# Altium PCB Hrafn.PcbDoc (part 1 of 5)
Units mm, origin at the board's own origin, x right, y up, seen from the top; angles counter-clockwise.
Board outline 85 x 94.73 mm, 8 copper layers (Top Layer, GND Top, Internal Top, PWR Top, PWR Bottom, Internal Bottom, GND Bottom, Bottom Layer), stack 1.525 mm thick; 391 components, 237 nets, 1268 pads, 1166 vias.
Unrouted connection lines stored in the file: 2.
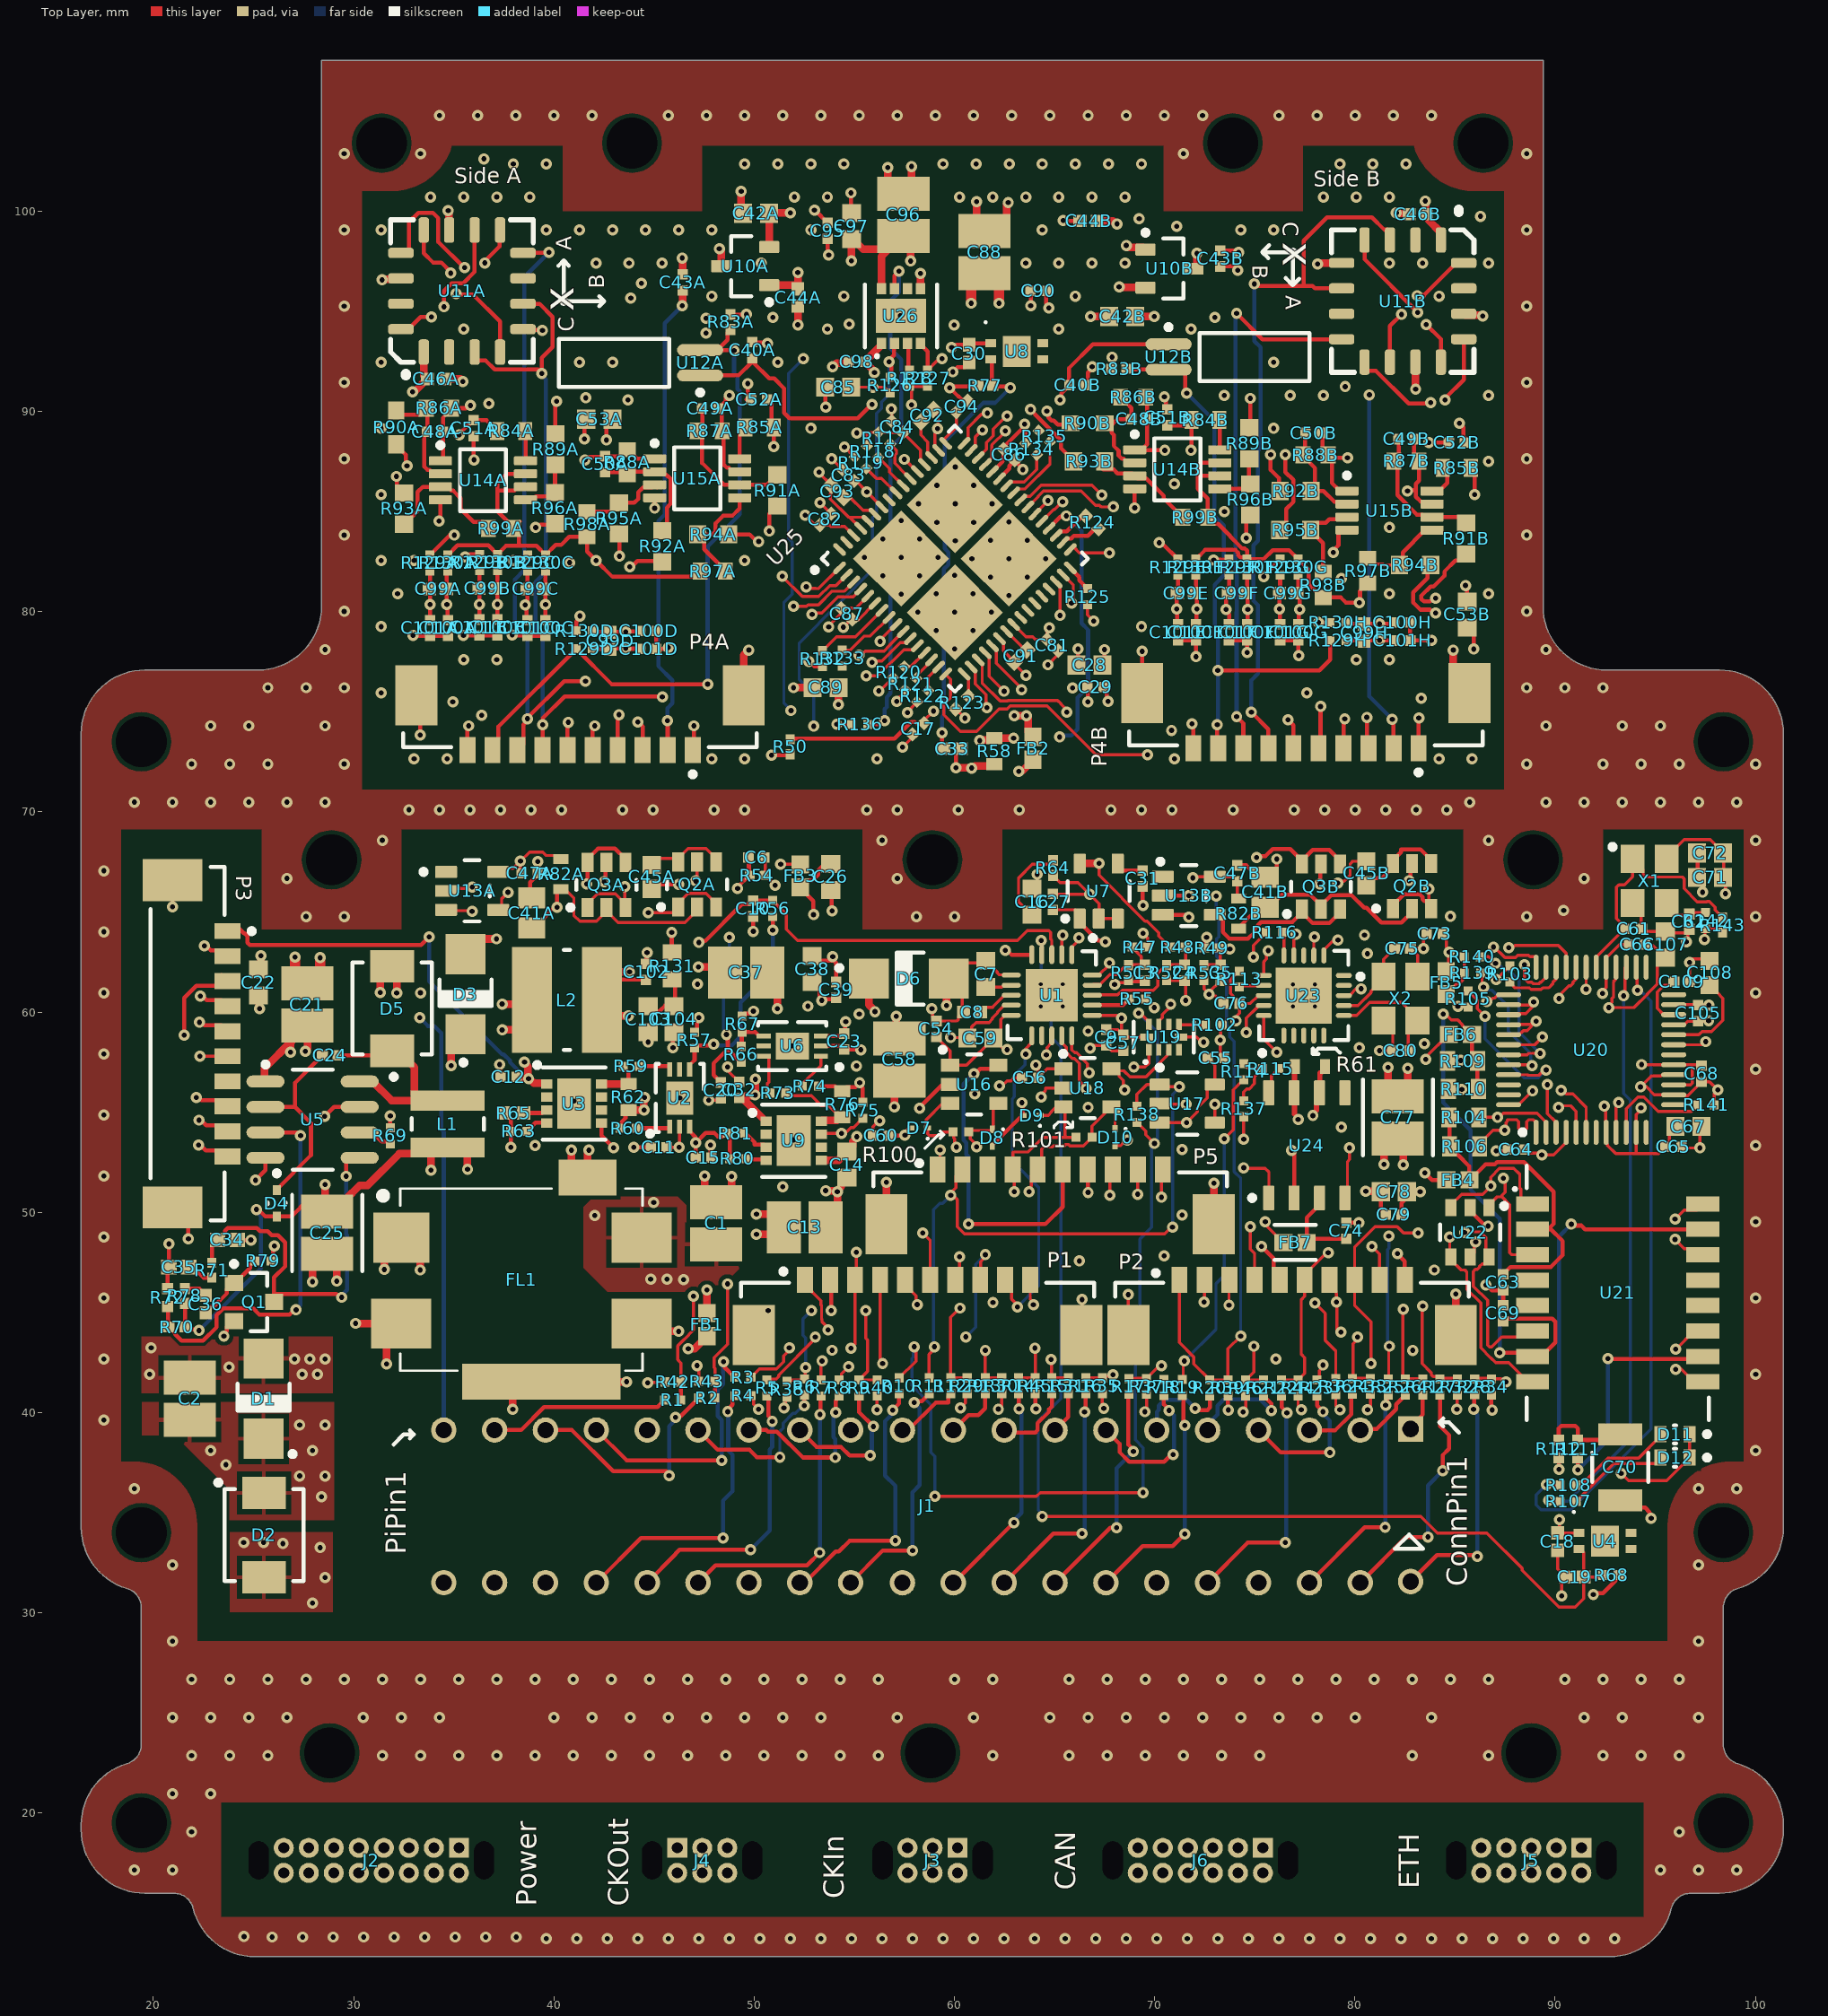
[diagram p0: Top Layer view]
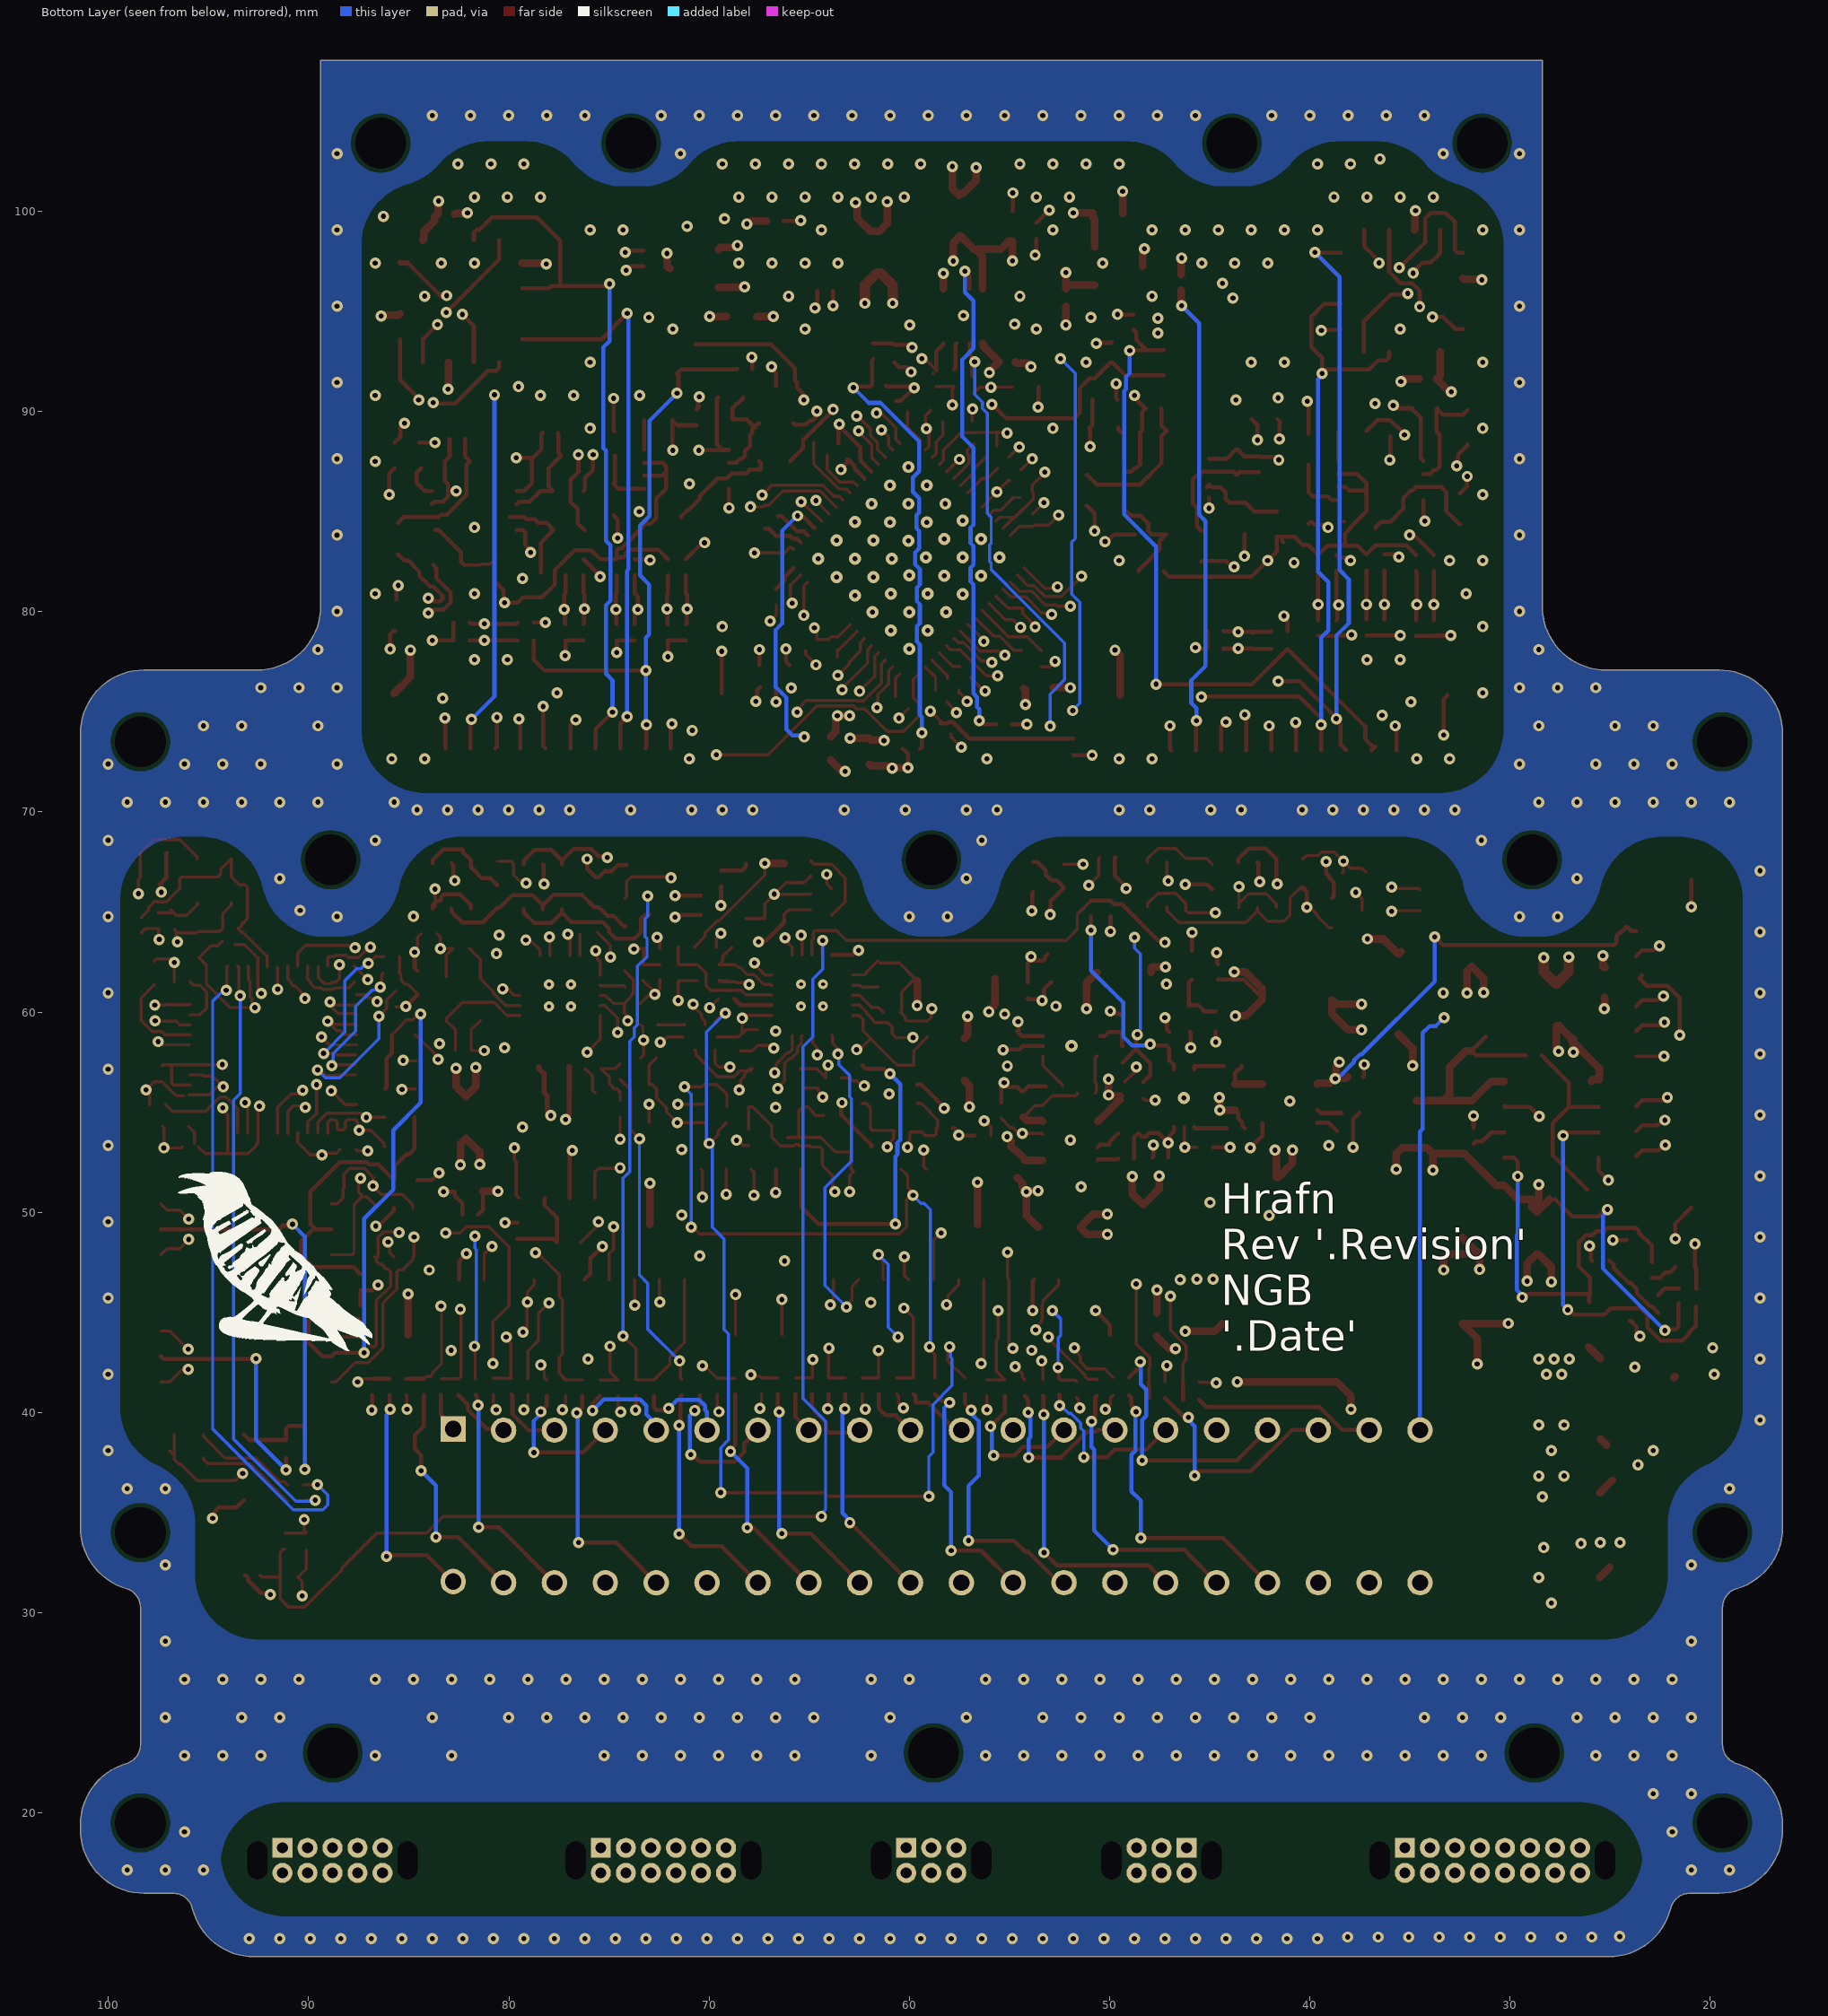
[diagram p1: Bottom Layer view, seen from below]
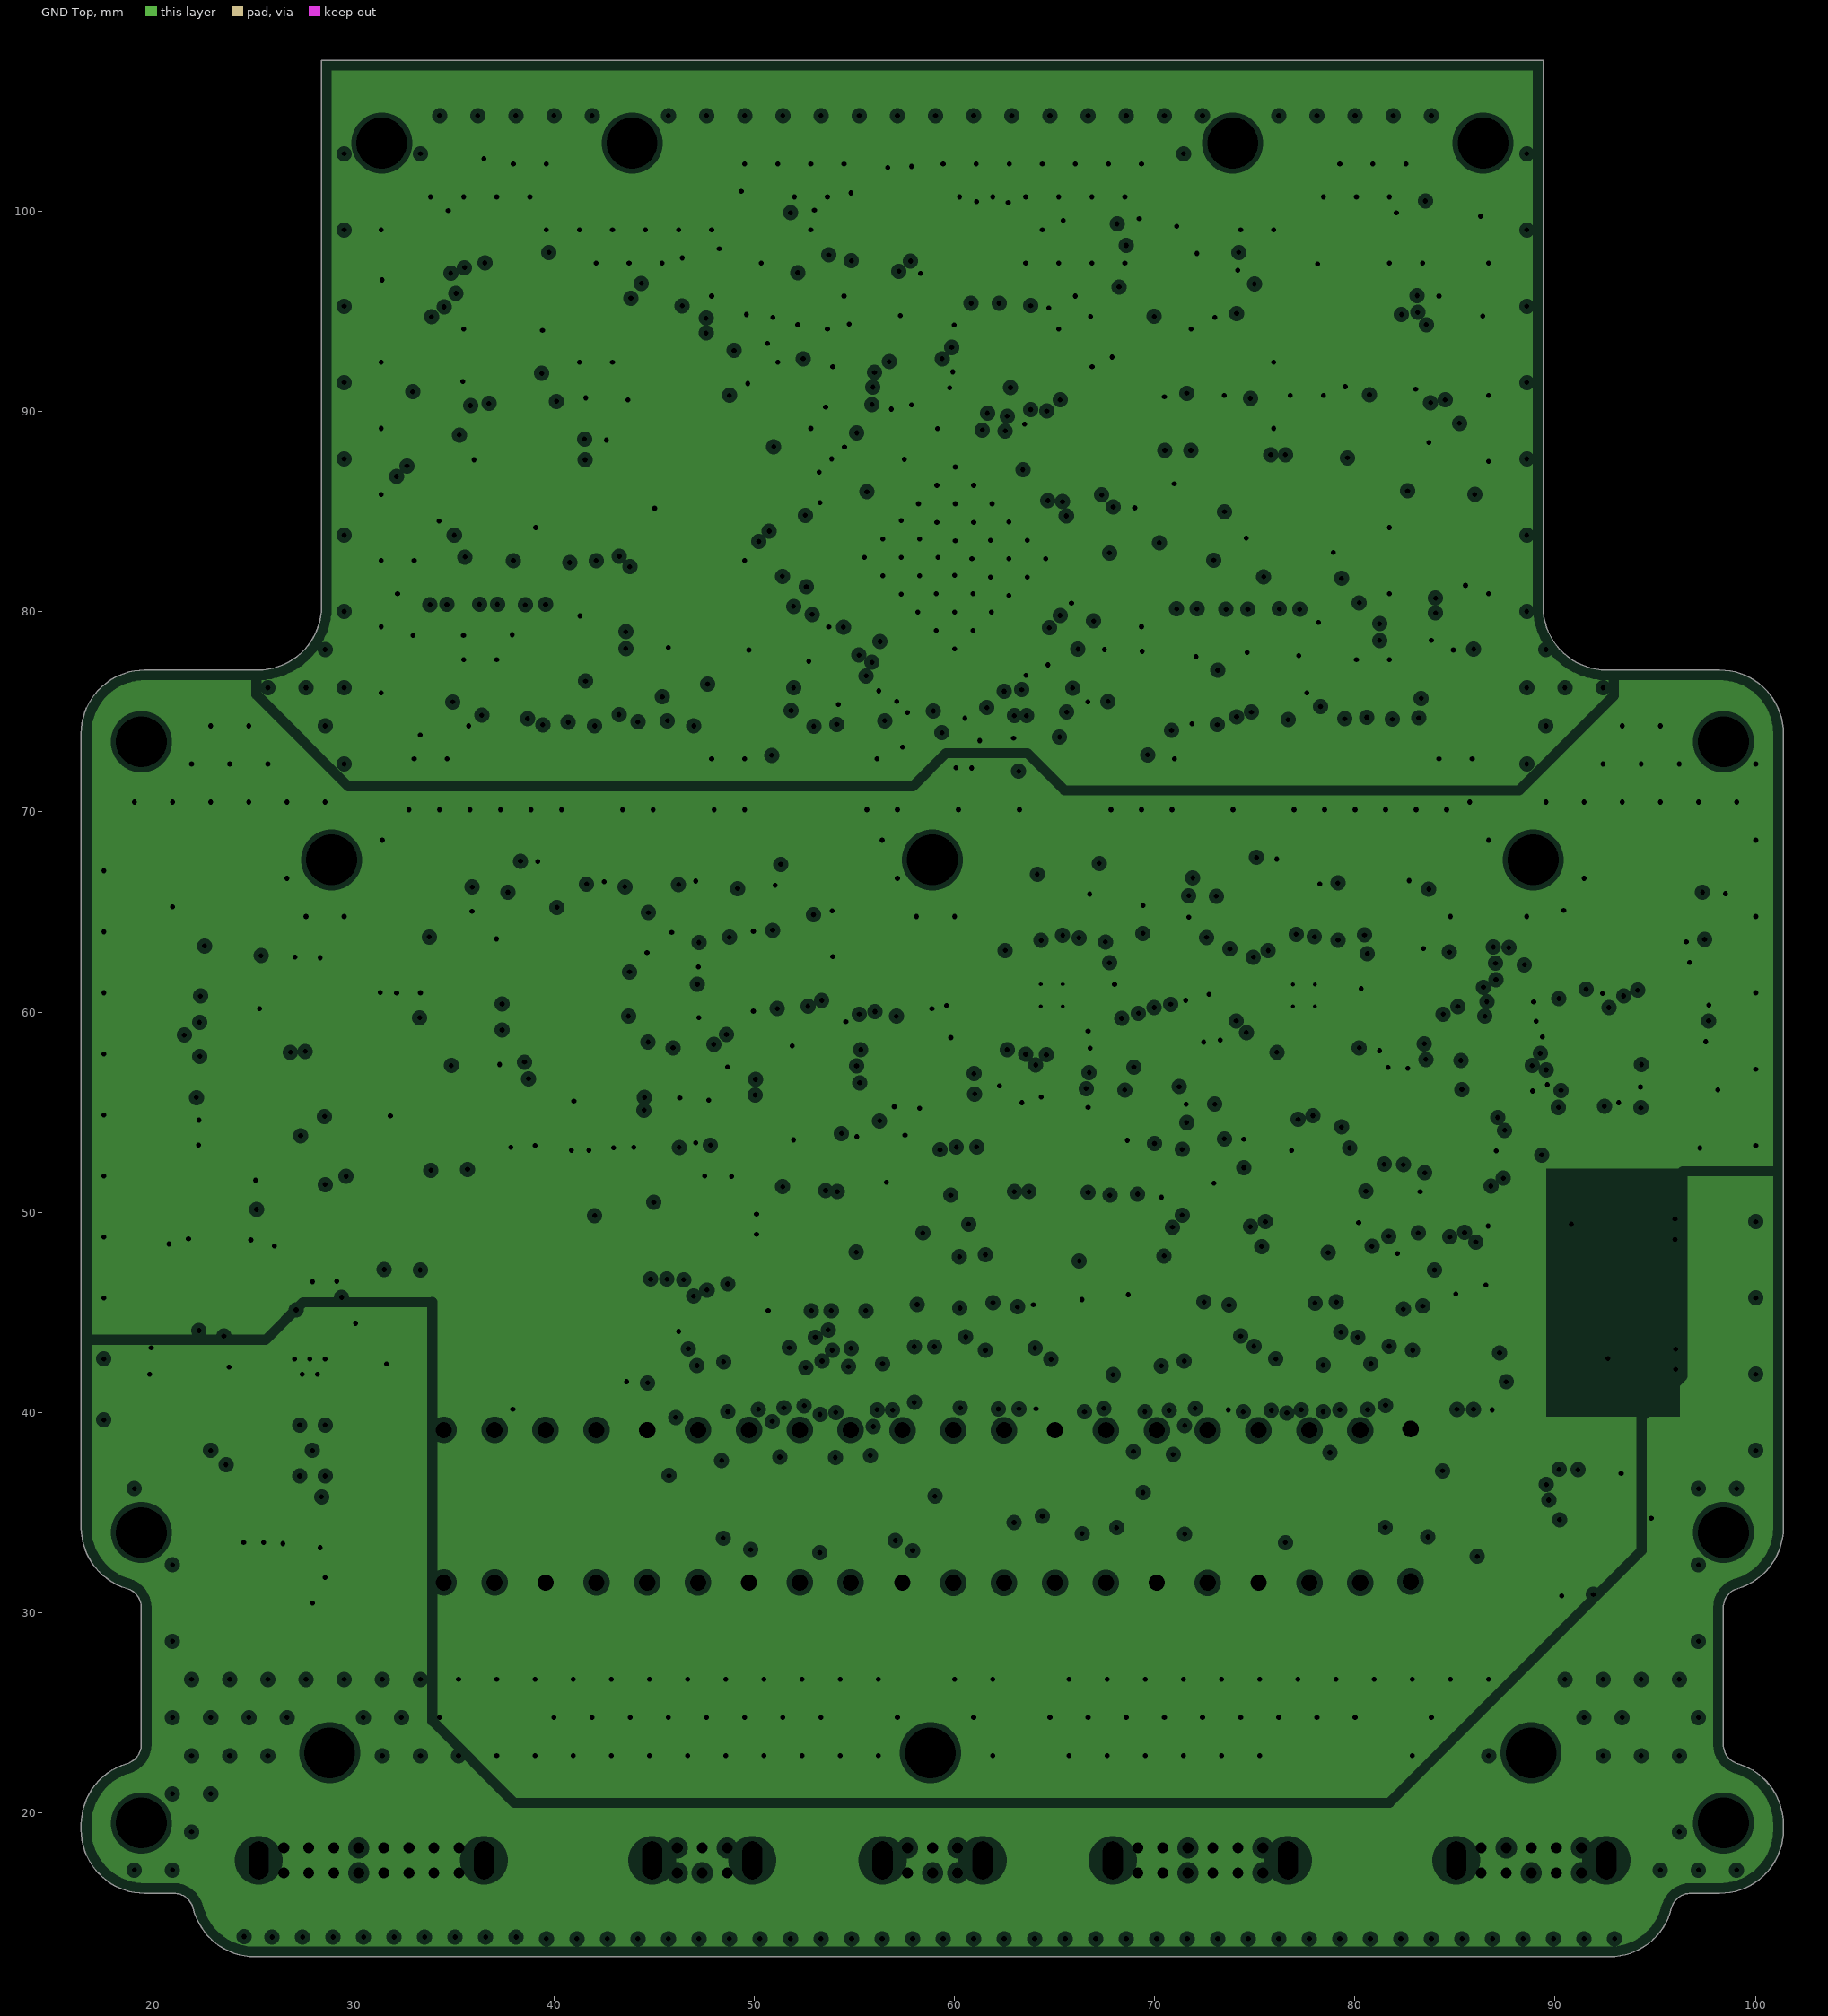
[diagram p2: GND Top, clearances drawn from the general rule]
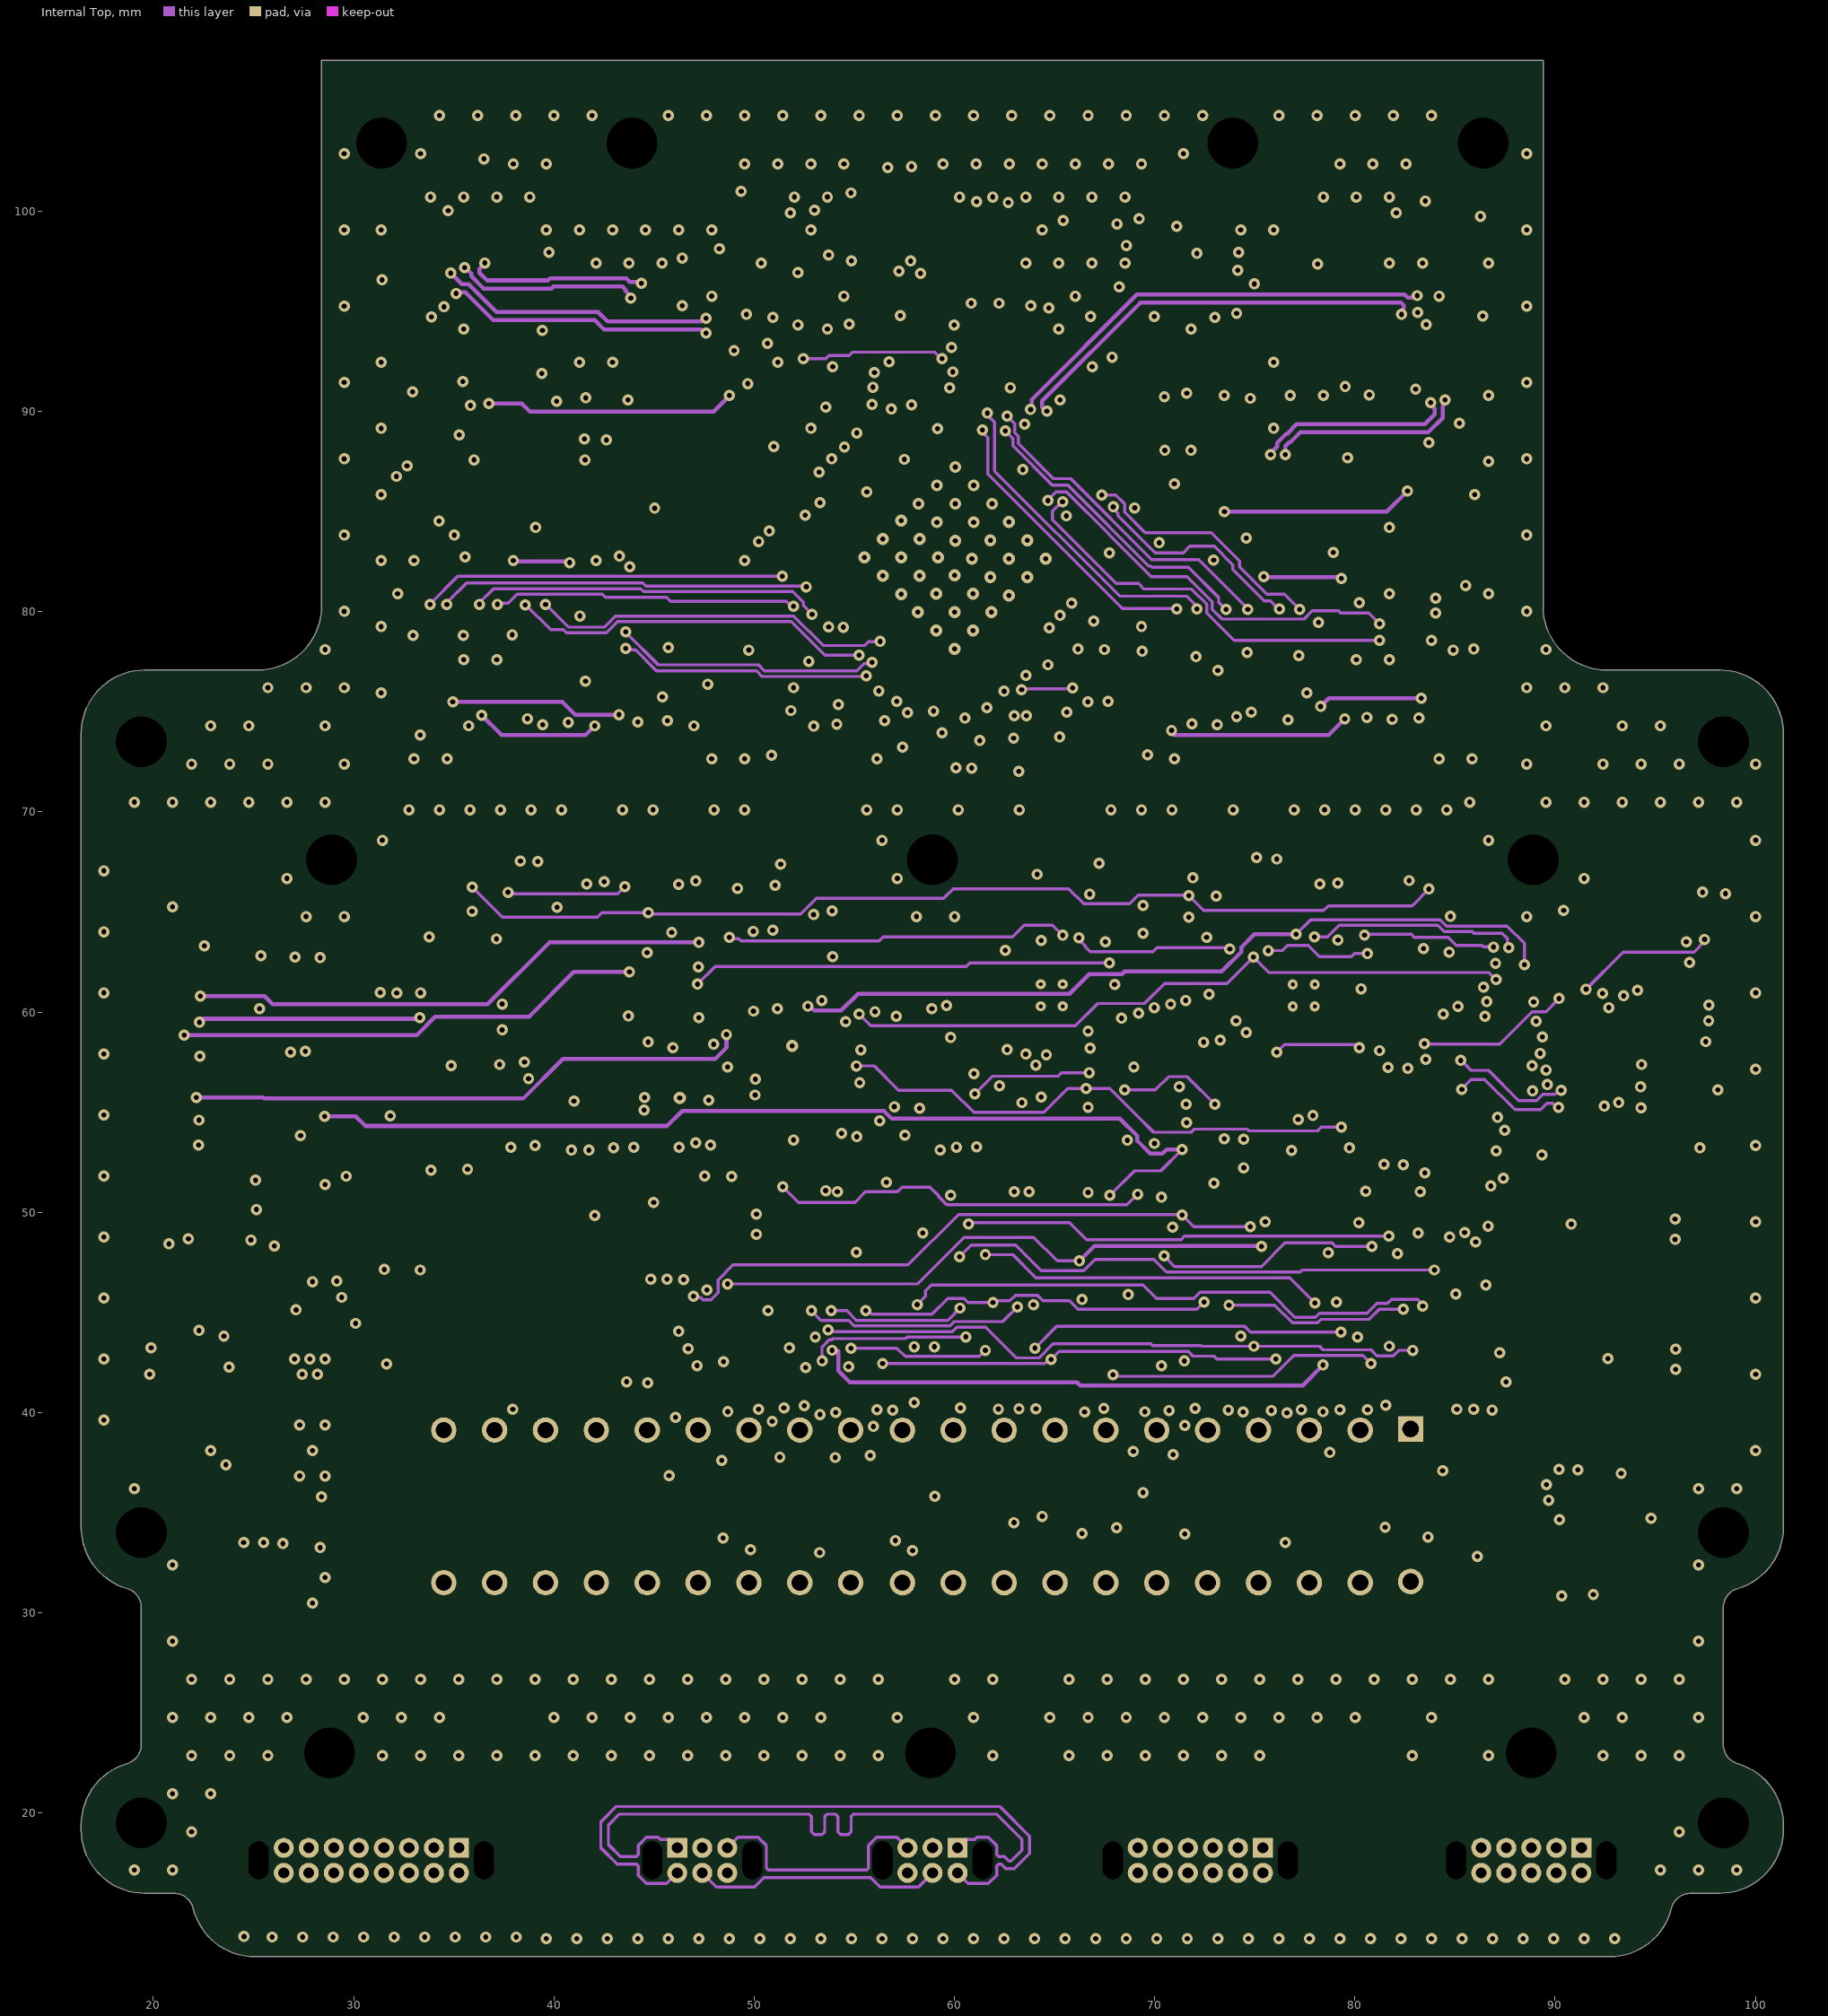
[diagram p3: Internal Top]